# Altium PCB PCB1.PcbDoc (continued)
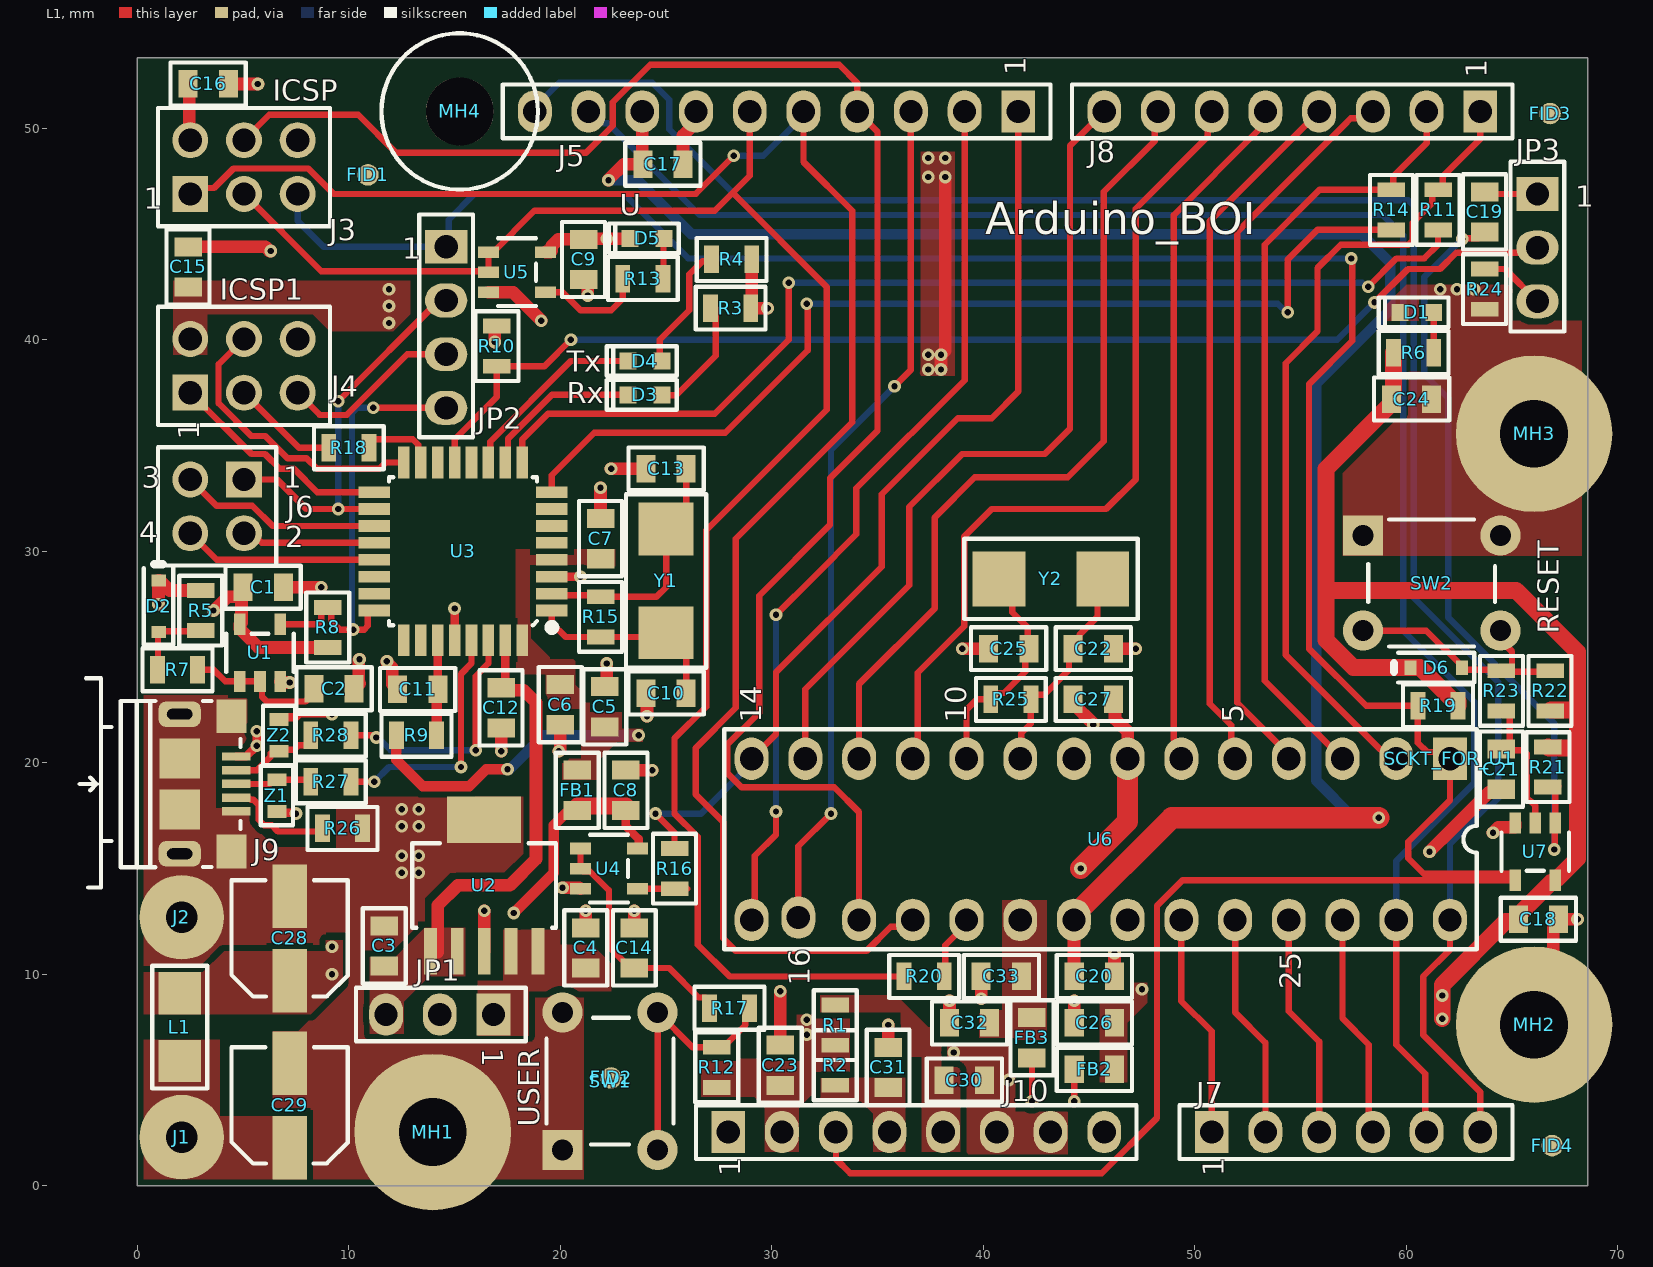
[diagram p0: L1 view]
## Part data (continued)
C3 C4: library part capacitor_10uF_16V, "C Series 0805 10 uF 16 V ±10 % Tolerance X5R SMT Multilayer Ceramic Capacitor", Manufacturer=TDK, Manufacturer Part Number=C2012X5R1C106K085AC, Category="Ceramic Capacitors", ComponentLink1Description=https://datasheet.ciiva.com/24218/c2012x5r1c106k085ac-264980-24218056.pdf?src-supplier=Mouser, ComponentLink1URL=https://datasheet.ciiva.com/24218/c2012x5r1c106k085ac-264980-24218056.pdf?src-supplier=Mouser, ComponentLink2Description=https://datasheet.ciiva.com/28451/1796654-28451610.pdf?src-supplier=Element14, ComponentLink2URL=https://datasheet.ciiva.com/28451/1796654-28451610.pdf?src-supplier=Element14, ComponentLink3Description=https://datasheet.ciiva.com/6259/tdkmlcccaprange-6259116.pdf?src-supplier=Digi-Key, ComponentLink3URL=https://datasheet.ciiva.com/6259/tdkmlcccaprange-6259116.pdf?src-supplier=Digi-Key, ComponentLink4Description=https://datasheet.ciiva.com/6259/tdkmlcccaprange-6259119.pdf?src-supplier=Digi-Key, ComponentLink4URL=https://datasheet.ciiva.com/6259/tdkmlcccaprange-6259119.pdf?src-supplier=Digi-Key, ComponentLink5Description=https://datasheet.ciiva.com/28602/1744655-28602170.pdf?src-supplier=Element14, ComponentLink5URL=https://datasheet.ciiva.com/28602/1744655-28602170.pdf?src-supplier=Element14, ComponentLink6Description=https://datasheet.ciiva.com/28673/mlcc-commercial-general-en-28673535.pdf?src-supplier=Element14, ComponentLink6URL=https://datasheet.ciiva.com/28673/mlcc-commercial-general-en-28673535.pdf?src-supplier=Element14, ComponentLink7Description=https://datasheet.ciiva.com/22719/1796654-22719549.pdf?src-supplier=Element14, ComponentLink7URL=https://datasheet.ciiva.com/22719/1796654-22719549.pdf?src-supplier=Element14, ComponentLink8Description=https://datasheet.ciiva.com/23803/1796654-23803020.pdf?src-supplier=Newark, ComponentLink8URL=https://datasheet.ciiva.com/23803/1796654-23803020.pdf?src-supplier=Newark, Material=4241ConductorMaterial, Pricing 1="1=0.2384, 10=0.1596, 25=0.1391, 50=0.1046, 100=0.0806, 250=0.0791, 500=0.0604, 1000=0.0477, 3000=0.0309 (USD)", RoHS=Yes, Stock 1=3158, Supplier 1="Arrow Electronics", Supplier Part Number 1=C2012X5R1C106K085AC
C5 C24 C26 C32: library part C2012X5R1C106K085AC, "C Series 0805 10 uF 16 V ±10 % Tolerance X5R SMT Multilayer Ceramic Capacitor", Manufacturer=TDK, Category="Ceramic Capacitors", ComponentLink1Description=https://datasheet.ciiva.com/24218/c2012x5r1c106k085ac-264980-24218056.pdf?src-supplier=Mouser, ComponentLink1URL=https://datasheet.ciiva.com/24218/c2012x5r1c106k085ac-264980-24218056.pdf?src-supplier=Mouser, ComponentLink2Description=https://datasheet.ciiva.com/28451/1796654-28451610.pdf?src-supplier=Element14, ComponentLink2URL=https://datasheet.ciiva.com/28451/1796654-28451610.pdf?src-supplier=Element14, ComponentLink3Description=https://datasheet.ciiva.com/6259/tdkmlcccaprange-6259116.pdf?src-supplier=Digi-Key, ComponentLink3URL=https://datasheet.ciiva.com/6259/tdkmlcccaprange-6259116.pdf?src-supplier=Digi-Key, ComponentLink4Description=https://datasheet.ciiva.com/6259/tdkmlcccaprange-6259119.pdf?src-supplier=Digi-Key, ComponentLink4URL=https://datasheet.ciiva.com/6259/tdkmlcccaprange-6259119.pdf?src-supplier=Digi-Key, ComponentLink5Description=https://datasheet.ciiva.com/28602/1744655-28602170.pdf?src-supplier=Element14, ComponentLink5URL=https://datasheet.ciiva.com/28602/1744655-28602170.pdf?src-supplier=Element14, ComponentLink6Description=https://datasheet.ciiva.com/28673/mlcc-commercial-general-en-28673535.pdf?src-supplier=Element14, ComponentLink6URL=https://datasheet.ciiva.com/28673/mlcc-commercial-general-en-28673535.pdf?src-supplier=Element14, ComponentLink7Description=https://datasheet.ciiva.com/22719/1796654-22719549.pdf?src-supplier=Element14, ComponentLink7URL=https://datasheet.ciiva.com/22719/1796654-22719549.pdf?src-supplier=Element14, ComponentLink8Description=https://datasheet.ciiva.com/23803/1796654-23803020.pdf?src-supplier=Newark, ComponentLink8URL=https://datasheet.ciiva.com/23803/1796654-23803020.pdf?src-supplier=Newark, Manufacturer Part Number=C2012X5R1C106K085AC, Material=4241ConductorMaterial, Pricing 1="1=0.2384, 10=0.1596, 25=0.1391, 50=0.1046, 100=0.0806, 250=0.0791, 500=0.0604, 1000=0.0477, 3000=0.0309 (USD)", RoHS=Yes, Stock 1=3158, Supplier 1="Arrow Electronics", Supplier Part Number 1=C2012X5R1C106K085AC
C10 C13 C22 C25: library part C0805C180K5GACTU, "Multilayer Ceramic Capacitor, 18 pF, 50 V, ± 10%, C0G (NP0), 0805 [2012 Metric]", Manufacturer=KEMET, Supplier Part Number 1=80-C0805C180K5G, Temperature Coefficient=30ppm/°C, Category="Ceramic Capacitors", ComponentLink1Description=https://datasheet.ciiva.com/26847/getdatasheetpartid-742486-26847863.pdf?src-supplier=Verical, ComponentLink1URL=https://datasheet.ciiva.com/26847/getdatasheetpartid-742486-26847863.pdf?src-supplier=Verical, ComponentLink2Description=https://datasheet.ciiva.com/5412/kem-c1003-c0g-smd-356956-5412921.pdf?src-supplier=Mouser, ComponentLink2URL=https://datasheet.ciiva.com/5412/kem-c1003-c0g-smd-356956-5412921.pdf?src-supplier=Mouser, Lead Free=5697LeadFree, Manufacturer Part Number=C0805C180K5GACTU, Material=4241ConductorMaterial, Pricing 1="1=0.1, 10=0.04, 50=0.04, 100=0.023, 1000=0.018, 10000=0.013 (USD)", RoHS=Yes, Stock 1=30336, Supplier 1=Mouser
C11: library part capacitor_1uF, "Multilayer Ceramic Capacitor, 1 uF, 25 V, ± 10%, X7R, 0805 [2012 Metric]", Manufacturer=TDK, Manufacturer Part Number=CGA4J3X7R1E105K125AB, Supplier Part Number 1=9038723, Category="Ceramic Capacitors", ComponentLink1Description=https://datasheet.ciiva.com/24216/cga4j3x7r1e105k125ab-266263-24216931.pdf?src-supplier=Mouser, ComponentLink1URL=https://datasheet.ciiva.com/24216/cga4j3x7r1e105k125ab-266263-24216931.pdf?src-supplier=Mouser, Material=4241ConductorMaterial, Pricing 1="100=0.034, 500=0.032, 1000=0.03, 2500=0.029, 5000=0.026 (GBP)", RoHS=Yes, Stock 1=500, Supplier 1=Rs
C28 C29: library part capacitor_100uF/10V, "Cap Aluminum Polymer 100uF 10VDC 20% (5 X 6mm) SMD 0.035 Ohm 1800mA 2000h 105C Automotive T/R", Manufacturer=Nichicon, Manufacturer Part Number=PCG1A101MCL1GS, Category="Polymer Capacitors", ComponentLink1Description=https://datasheet.ciiva.com/102/e-cg-102197.pdf?src-supplier=Digi-Key, ComponentLink1URL=https://datasheet.ciiva.com/102/e-cg-102197.pdf?src-supplier=Digi-Key, ComponentLink2Description=https://datasheet.ciiva.com/102/e-cg-102198.pdf?src-supplier=Digi-Key, ComponentLink2URL=https://datasheet.ciiva.com/102/e-cg-102198.pdf?src-supplier=Digi-Key, ComponentLink3Description=https://datasheet.ciiva.com/102/e-cg-102199.pdf?src-supplier=Digi-Key, ComponentLink3URL=https://datasheet.ciiva.com/102/e-cg-102199.pdf?src-supplier=Digi-Key, Pricing 1="1=0.897, 10=0.8036, 25=0.7518, 100=0.5555 (USD)", RoHS=Yes, Stock 1=240, Supplier 1="Arrow Electronics", Supplier Part Number 1=PCG1A101MCL1GS
D1: library part green_led, "Super Ultra Green 1.6 x 0.8 mm 120° Water Clear 50 mcd 2.2 V Surface Mount LED", Manufacturer=Lumex, Manufacturer Part Number=SML-LXFM0603SUGCTR, Category=LEDs, ComponentLink1Description=https://datasheet.ciiva.com/16353/sml-lxfm0603sugctr-16353226.pdf?src-supplier=Future+Electronics, ComponentLink1URL=https://datasheet.ciiva.com/16353/sml-lxfm0603sugctr-16353226.pdf?src-supplier=Future+Electronics, ComponentLink2Description=https://datasheet.ciiva.com/4688/sml-lxfm0603sugctr-115255-4688799.pdf?src-supplier=Mouser, ComponentLink2URL=https://datasheet.ciiva.com/4688/sml-lxfm0603sugctr-115255-4688799.pdf?src-supplier=Mouser, Pricing 1="1=0.9815, 10=0.6442, 25=0.6365, 50=0.3819 (USD)", RoHS=Yes, Stock 1=85, Supplier 1="Arrow Electronics", Supplier Part Number 1=SML-LXFM0603SUGCTR
D2 D6: "Small Signal Schottky Diode, Single, 30 V, 200 Ma, 800 Mv, 600 Ma, 150 C", Average Rectified Current=200mA, Breakdown Voltage=30V, Capacitance=10pF, Forward Voltage=800mV, Manufacturer="ON Semiconductor / Fairchild", Max Forward Surge Current (Ifsm)=600mA, Max Operating Temperature=150°C, Max Reverse Current=2uA, Min Operating Temperature=-55°C, Package Quantity=1, Power Dissipation=200mW, Supplier Part Number 1=1155100, Category="Schottky Diodes", ComponentLink1Description=https://datasheet.ciiva.com/4714/bat54ht1-d-72881-4714706.pdf?src-supplier=Mouser, ComponentLink1URL=https://datasheet.ciiva.com/4714/bat54ht1-d-72881-4714706.pdf?src-supplier=Mouser, ComponentLink2Description=https://datasheet.ciiva.com/4452/bat54ht1g-104602-4452889.pdf?src-supplier=Mouser, ComponentLink2URL=https://datasheet.ciiva.com/4452/bat54ht1g-104602-4452889.pdf?src-supplier=Mouser, ComponentLink3Description=https://datasheet.ciiva.com/30479/0900766b811a63a9-30479442.pdf?src-supplier=Rs, ComponentLink3URL=https://datasheet.ciiva.com/30479/0900766b811a63a9-30479442.pdf?src-supplier=Rs, ComponentLink4Description=https://datasheet.ciiva.com/34301/806549-34301562.pdf?src-supplier=Jameco, ComponentLink4URL=https://datasheet.ciiva.com/34301/806549-34301562.pdf?src-supplier=Jameco, ComponentLink5Description=https://datasheet.ciiva.com/1240/1747983-1240762.pdf?src-supplier=Newark, ComponentLink5URL=https://datasheet.ciiva.com/1240/1747983-1240762.pdf?src-supplier=Newark, ComponentLink6Description=https://datasheet.ciiva.com/915/bat54ht1-d-915445.pdf?src-supplier=Digi-Key, ComponentLink6URL=https://datasheet.ciiva.com/915/bat54ht1-d-915445.pdf?src-supplier=Digi-Key, ComponentLink7Description=https://datasheet.ciiva.com/915/bat54ht1-d-915444.pdf?src-supplier=Digi-Key, ComponentLink7URL=https://datasheet.ciiva.com/915/bat54ht1-d-915444.pdf?src-supplier=Digi-Key, ComponentLink8Description=https://datasheet.ciiva.com/910/bat54ht1g-910499.pdf?src-supplier=Digi-Key, ComponentLink8URL=https://datasheet.ciiva.com/910/bat54ht1g-910499.pdf?src-supplier=Digi-Key, ComponentLink9Description=https://datasheet.ciiva.com/910/bat54ht1g-910498.pdf?src-supplier=Digi-Key, ComponentLink9URL=https://datasheet.ciiva.com/910/bat54ht1g-910498.pdf?src-supplier=Digi-Key, ComponentLink10Description=https://datasheet.ciiva.com/8294/bat54ht1-d-8294645.pdf?src-supplier=Avnet, ComponentLink10URL=https://datasheet.ciiva.com/8294/bat54ht1-d-8294645.pdf?src-supplier=Avnet, ComponentLink11Description=https://datasheet.ciiva.com/910/bat54ht1g-910497.pdf?src-supplier=Digi-Key, ComponentLink11URL=https://datasheet.ciiva.com/910/bat54ht1g-910497.pdf?src-supplier=Digi-Key, ComponentLink12Description=https://datasheet.ciiva.com/8303/bat54ht1g-8303645.pdf?src-supplier=Avnet, ComponentLink12URL=https://datasheet.ciiva.com/8303/bat54ht1g-8303645.pdf?src-supplier=Avnet, ComponentLink13Description=https://datasheet.ciiva.com/915/bat54ht1-d-915443.pdf?src-supplier=Digi-Key, ComponentLink13URL=https://datasheet.ciiva.com/915/bat54ht1-d-915443.pdf?src-supplier=Digi-Key, ComponentLink14Description=https://datasheet.ciiva.com/46429/1727620-46429206.pdf?src-supplier=Element14, ComponentLink14URL=https://datasheet.ciiva.com/46429/1727620-46429206.pdf?src-supplier=Element14, ComponentLink15Description=https://datasheet.ciiva.com/1180/bat54ht1-d-1180252.pdf?src-supplier=Element14, ComponentLink15URL=https://datasheet.ciiva.com/1180/bat54ht1-d-1180252.pdf?src-supplier=Element14, ComponentLink16Description=https://datasheet.ciiva.com/1180/bat54ht1-d-1180251.pdf?src-supplier=Element14, ComponentLink16URL=https://datasheet.ciiva.com/1180/bat54ht1-d-1180251.pdf?src-supplier=Element14, ComponentLink17Description=https://datasheet.ciiva.com/17020/bat54ht1g-17020445.pdf?src-supplier=Future+Electronics, ComponentLink17URL=https://datasheet.ciiva.com/17020/bat54ht1g-17020445.pdf?src-supplier=Future+Electronics, ComponentLink18Description=https://datasheet.ciiva.com/48686/001262925-da-01-en-diode-schottky-30v-bat54ht1g-sod-323-fsc-48686266.pdf?src-supplier=Conrad, ComponentLink18URL=https://datasheet.ciiva.com/48686/001262925-da-01-en-diode-schottky-30v-bat54ht1g-sod-323-fsc-48686266.pdf?src-supplier=Conrad, Contact Plating=Tin,Matte, Current Rating=200mA, Forward Current=200mA, Height=1mm, Lead Free="Lead Free", Length=1.8mm, Manufacturer Part Number=BAT54HT1G, Max Repetitive Reverse Voltage (Vrrm)=30V, Max Reverse Leakage Current=2uA, Max Reverse Voltage (DC)=30V, Max Surge Current=600mA, Mount="Surface Mount", Number of Pins=2, Output Current=200mA, Packaging="Tape and Reel", Peak Non-Repetitive Surge Current=600mA, Polarity=Standard, Pricing 1="3000=0.0203, 12000=0.0195, 45000=0.0187, 75000=0.0184, 150000=0.0175 (USD)", Radiation Hardening=No, Reach SVHC Compliant=No, Recovery Time=5ns, Reverse Recovery Time=5ns, Reverse Recovery Time-Max=5ns, Reverse Voltage=30V, RoHS=Yes, RoHS Compliant=Yes, Series=-, Stock 1=5595000, Supplier 1="Future Electronics", Voltage Rating (DC)=30V, Width=1.35mm
D3 D4 D5: library part orange_led, "LED Low-Power Uni-Color SB. Orange 611nm 1.8V 2-Pin SMD T/R", Manufacturer=Kingbright, Manufacturer Part Number=APT1608LSECK/J4-PRV, Category=LEDs, ComponentLink1Description=http://www.mouser.com/ds/2/216/APT1608LSECK-J4-PRV-535751.pdf?src-supplier=Mouser, ComponentLink1URL=http://www.mouser.com/ds/2/216/APT1608LSECK-J4-PRV-535751.pdf?src-supplier=Mouser, ComponentLink2Description=http://www.kingbrightusa.com/images/catalog/SPEC/APT1608LSECK-J4-PRV.pdf?src-supplier=Digi-Key, ComponentLink2URL=http://www.kingbrightusa.com/images/catalog/SPEC/APT1608LSECK-J4-PRV.pdf?src-supplier=Digi-Key, Pricing 1="1=0.64, 10=0.396, 100=0.2277, 1000=0.17816 (USD)", RoHS=Yes, Stock 1=48397, Supplier 1=Digi-Key
FB1 FB2 FB3: "Ferrite Beads Multi-Layer Power 600Ohm 25% 100MHz 2A 100mOhm DCR 0805 T/R", Case Code (Imperial)=0805, Case Code (Metric)=2012, Current Rating=2A, DC Resistance (DCR)=100mR, Manufacturer=TDK, Max Operating Temperature=125°C, Min Operating Temperature=-55°C, Package Quantity=1, Test Frequency=100MHz, Tolerance=25%, Case/Package=0805, Category="Ferrite Beads and Chips", ComponentLink1Description=https://datasheet.ciiva.com/46634/beads-commercial-power-mpz-en-46634335.pdf?src-supplier=Digi-Key, ComponentLink1URL=https://datasheet.ciiva.com/46634/beads-commercial-power-mpz-en-46634335.pdf?src-supplier=Digi-Key, ComponentLink2Description=https://datasheet.ciiva.com/46634/beads-commercial-power-mpz-en-46634377.pdf?src-supplier=Digi-Key, ComponentLink2URL=https://datasheet.ciiva.com/46634/beads-commercial-power-mpz-en-46634377.pdf?src-supplier=Digi-Key, ComponentLink3Description=https://datasheet.ciiva.com/46634/beads-commercial-power-mpz-en-46634606.pdf?src-supplier=Digi-Key, ComponentLink3URL=https://datasheet.ciiva.com/46634/beads-commercial-power-mpz-en-46634606.pdf?src-supplier=Digi-Key, Core Material=Ferrite, Height=0.041inch, Impedance=600R, Lead Free="Lead Free", Length=0.079inch, Manufacturer Part Number=MPZ2012S601AT000, Max Current Rating=2A, Max DC Current=2A, Mount="Surface Mount", Number of Lines=1, Packaging="Tape and Reel", Pricing 1="4000=0.027, 8000=0.023, 28000=0.0228, 100000=0.0225 (USD)", Reach SVHC Compliant=No, RMS Current (Irms)=2A, RoHS=Yes, RoHS Compliant=Yes, Series=MPZ, Series Resistance=100mR, Stock 1=8000, Supplier 1="Arrow Electronics", Supplier Part Number 1=MPZ2012S601AT000, Width=0.049inch
FID1 FID2 FID3 FID4: "Fiducial 40mil Diameter, 120mil mask."
J1 J2: library part PAD_WITH_HOLE_4MMx1.5MM, "Pad with a whole 4mm x 1.5mm"
J3 J4: library part 67997-206HLF, "Conn Unshrouded Header HDR 6 POS 2.54mm Solder ST Top Entry Thru-Hole BergStik® Bulk", Manufacturer="Amphenol ICC / FCI", Category="Headers and Wire Housings", ComponentLink1Description=http://uk.rs-online.com/webdocs/1450/0900766b81450b9f.pdf?src-supplier=Rs, ComponentLink1URL=http://uk.rs-online.com/webdocs/1450/0900766b81450b9f.pdf?src-supplier=Rs, ComponentLink2Description=https://datasheet.octopart.com/67997-206HLF-Amphenol-Communications-Solutions-datasheet-10288749.pdf?src-supplier=Newark, ComponentLink2URL=https://datasheet.octopart.com/67997-206HLF-Amphenol-Communications-Solutions-datasheet-10288749.pdf?src-supplier=Newark, ComponentLink3Description=https://datasheet.octopart.com/67997-206HLF-Areva-datasheet-15888151.pdf?src-supplier=Element14, ComponentLink3URL=https://datasheet.octopart.com/67997-206HLF-Areva-datasheet-15888151.pdf?src-supplier=Element14, ComponentLink4Description=https://www.alliedelec.com/m/d/513ec3cc6ba1d1ea2d72c003449a9fb2.pdf?src-supplier=Allied+Electronics, ComponentLink4URL=https://www.alliedelec.com/m/d/513ec3cc6ba1d1ea2d72c003449a9fb2.pdf?src-supplier=Allied+Electronics, ComponentLink5Description=http://components.arrow.com/part/dataview/41913726S7403011N8314?src-supplier=Arrow+Electronics, ComponentLink5URL=http://components.arrow.com/part/dataview/41913726S7403011N8314?src-supplier=Arrow+Electronics, ComponentLink6Description=http://portal.fciconnect.com/Comergent/adirect/fci?cmd=catCustomerDrawing&productName=67997-206HLF&src-supplier=Mouser, ComponentLink6URL=http://portal.fciconnect.com/Comergent/adirect/fci?cmd=catCustomerDrawing&productName=67997-206HLF&src-supplier=Mouser, ComponentLink7Description=http://portal.fciconnect.com/Comergent/fci/drawing/67996.pdf?src-supplier=Avnet, ComponentLink7URL=http://portal.fciconnect.com/Comergent/fci/drawing/67996.pdf?src-supplier=Avnet, ComponentLink8Description=https://cdn.amphenol-icc.com/media/wysiwyg/files/drawing/67996.pdf?src-supplier=Digi-Key, ComponentLink8URL=https://cdn.amphenol-icc.com/media/wysiwyg/files/drawing/67996.pdf?src-supplier=Digi-Key, ComponentLink9Description=https://datasheet.octopart.com/67997-206HLF-Amphenol-Communications-Solutions-datasheet-36854132.pdf?src-supplier=Electro+Sonic, ComponentLink9URL=https://datasheet.octopart.com/67997-206HLF-Amphenol-Communications-Solutions-datasheet-36854132.pdf?src-supplier=Electro+Sonic, Manufacturer Part Number=67997-206HLF, Pricing 1="1=0.4055, 10=0.3348, 25=0.3314, 50=0.3281, 100=0.2392, 1000=0.2033 (USD)", RoHS=No, Stock 1=1251, Supplier 1="Arrow Electronics", Supplier Part Number 1=67997-206HLF
J5: library part M20-7821046, "2.54mm (0.1\") Pitch SIL Vertical PC Tail Socket Assembly, tin, 10 contacts", Manufacturer=Harwin, Supplier Part Number 1=6816826, Category="Headers and Wire Housings", ComponentLink1Description=https://datasheet.ciiva.com/11753/0900766b80dc1d2b-11753869.pdf?src-supplier=Rs, ComponentLink1URL=https://datasheet.ciiva.com/11753/0900766b80dc1d2b-11753869.pdf?src-supplier=Rs, ComponentLink2Description=https://datasheet.ciiva.com/26899/getdatasheetpartid-559226-26899379.pdf?src-supplier=Verical, ComponentLink2URL=https://datasheet.ciiva.com/26899/getdatasheetpartid-559226-26899379.pdf?src-supplier=Verical, ComponentLink3Description=https://datasheet.ciiva.com/10151/m20-782-10151366.pdf?src-supplier=Avnet, ComponentLink3URL=https://datasheet.ciiva.com/10151/m20-782-10151366.pdf?src-supplier=Avnet, ComponentLink4Description=https://datasheet.ciiva.com/6785/m20-782-6785605.pdf?src-supplier=Digi-Key, ComponentLink4URL=https://datasheet.ciiva.com/6785/m20-782-6785605.pdf?src-supplier=Digi-Key, Manufacturer Part Number=M20-7821046, Pricing 1="5=1.166, 100=0.892, 375=0.804, 1500=0.652, 3000=0.59 (GBP)", RoHS=Yes, Stock 1=515, Supplier 1=Rs
J6: library part 77313-118-04LF, "BergStik®, Board to Board connector, Unshrouded Header, 2.54 mm Pitch, Vertical, Double Row, Through Hole, 04 Positions", Color=Black, Manufacturer="Amphenol ICC / FCI", Category=Connectors, ComponentLink1Description=https://datasheet.ciiva.com/722/77313-722655.pdf?src-supplier=Digi-Key, ComponentLink1URL=https://datasheet.ciiva.com/722/77313-722655.pdf?src-supplier=Digi-Key, Contact Material=Bronze, Contact Mating Length=0.23inch, Contact Plating=Gold,GXT, Contact Type="Male Pin", Manufacturer Part Number=77313-118-04LF, Mount="Through Hole", Number of Contacts=4, Number of Positions=4, Number of Rows=2, Packaging=Bulk, Pitch=0.1inch, Pricing 1="1=0.1428, 10=0.1135 (USD)", Reach SVHC Compliant=No, RoHS=No, Row Spacing=0.1inch, Series="BERGSTIK®, MezzSelect™, Basics+", Stock 1=1364, Supplier 1="Arrow Electronics", Supplier Part Number 1=77313-118-04LF, Termination=Solder
J7: library part M20-7820646, "2.54mm (0.1\") Pitch SIL Vertical PC Tail Socket Assembly, tin, 6 contacts", Case/Package=SIL, Flammability Rating="UL94 V-0", Insulation Color=Black, Manufacturer=Harwin, Max Operating Temperature=105°C, Min Operating Temperature=-40°C, Package Quantity=38, Supplier Part Number 1=1613515, Voltage Rating=1kV, Category="Headers and Wire Housings", ComponentLink1Description=https://cdn.harwin.com/pdfs/Harwin_PC_Connectors_M20.pdf?src-supplier=Rs, ComponentLink1URL=https://cdn.harwin.com/pdfs/Harwin_PC_Connectors_M20.pdf?src-supplier=Rs, ComponentLink2Description=http://www.harwin.com/include/downloads/pdfs/2010PAGE120.PDF?src-supplier=Avnet, ComponentLink2URL=http://www.harwin.com/include/downloads/pdfs/2010PAGE120.PDF?src-supplier=Avnet, ComponentLink3Description=https://cdn.harwin.com/pdfs/M20-782.pdf?src-supplier=Digi-Key, ComponentLink3URL=https://cdn.harwin.com/pdfs/M20-782.pdf?src-supplier=Digi-Key, ComponentLink4Description=https://cdn.harwin.com/pdfs/Harwin_PC_Connectors_M20.pdf?src-supplier=Mouser, ComponentLink4URL=https://cdn.harwin.com/pdfs/Harwin_PC_Connectors_M20.pdf?src-supplier=Mouser, ComponentLink5Description=https://cdn.harwin.com/pdfs/Harwin_PC_Connectors_M20.pdf?src-supplier=TTI, ComponentLink5URL=https://cdn.harwin.com/pdfs/Harwin_PC_Connectors_M20.pdf?src-supplier=TTI, Connector Type=Receptacle, Contact Finish - Mating=TIN, Contact Gender=Female, Contact Material=Bronze, Contact Plating=Tin, Contact Shape=Square, Contact Type="Female Socket", Fastening Type=Pull, Gender=Female, Insulation Material=Nylon, Manufacturer Part Number=M20-7820646, Mated Stacking Heights=12.63mm, Mount="Through Hole", Number of Contacts=6, Number of Positions=6, Number of Rows=1, Packaging=Rail/Tube, Pitch=2.54mm, Pricing 1="36=0.809, 180=0.755, 360=0.674, 720=0.608 (GBP)", Radiation Hardening=No, RoHS=Yes, RoHS Compliant=Yes, Series=M20, Stock 1=684, Supplier 1=Rs, Termination=Solder
J8 J10: library part M20-7820842, "2.54mm (0.1\") Pitch SIL Vertical PC Tail Socket Assembly, selective gold + tin, 8 contacts", Case/Package=SIL, Flammability Rating="UL94 V-0", Insulation Color=Black, Manufacturer=Harwin, Max Operating Temperature=105°C, Min Operating Temperature=-40°C, Supplier Part Number 1=952-1823-ND, Voltage Rating=1kV, Category="Headers and Wire Housings", ComponentLink1Description=https://datasheet.ciiva.com/9480/m20-782-9480074.pdf?src-supplier=Avnet, ComponentLink1URL=https://datasheet.ciiva.com/9480/m20-782-9480074.pdf?src-supplier=Avnet, Connector Type=Receptacle, Contact Finish - Mating=GOLD, Contact Gender=Female, Contact Material=Bronze, Contact Plating=Tin,Gold, Contact Shape=Square, Contact Type="Female Socket", Fastening Type=Pull, Gender=Female, Insulation Material=Nylon, Manufacturer Part Number=M20-7820842, Mated Stacking Heights=12.63mm, Mount="Through Hole", Number of Contacts=8, Number of Positions=8, Number of Rows=1, Packaging=Rail/Tube, Pitch=2.54mm, Pricing 1="1=1.44, 10=1.215, 100=1.091, 500=0.89264, 1000=0.79346, 5000=0.69427, 10000=0.65956 (USD)", Radiation Hardening=No, RoHS=Yes, RoHS Compliant=Yes, Series=M20, Stock 1=4089, Supplier 1=Digi-Key, Termination=Solder, Weight=0.025397oz
J9: "Usb Connector, 5 Contact(S), Female, Right Angle, Surface Mount Terminal, Locking, Receptacle", Color=46Colour, Current Rating=1.8A, Flammability Rating=5813Flammability, Insulation Resistance=1GR, Manufacturer="Amphenol Communications Solutions", Max Operating Temperature=85°C, Max Voltage Rating (AC)=100V, Min Operating Temperature=-55°C, Category=Connectors, ComponentLink1Description=https://datasheet.octopart.com/10118193-0001LF-Amphenol-Communications-Solutions-datasheet-96019471.pdf?src-supplier=Element14, ComponentLink1URL=https://datasheet.octopart.com/10118193-0001LF-Amphenol-Communications-Solutions-datasheet-96019471.pdf?src-supplier=Element14, ComponentLink2Description=https://datasheet.octopart.com/10118193-0001LF-Amphenol-Communications-Solutions-datasheet-55953155.pdf?src-supplier=TME, ComponentLink2URL=https://datasheet.octopart.com/10118193-0001LF-Amphenol-Communications-Solutions-datasheet-55953155.pdf?src-supplier=TME, ComponentLink3Description=https://datasheet.octopart.com/10118193-0001LF-Amphenol-Communications-Solutions-datasheet-11792339.pdf?src-supplier=Electro+Sonic, ComponentLink3URL=https://datasheet.octopart.com/10118193-0001LF-Amphenol-Communications-Solutions-datasheet-11792339.pdf?src-supplier=Electro+Sonic, Connector Type=309,4640ConnectorType, Contact Material=153,157ConductorMaterial, Contact Plating=157ConductorMaterial, Depth=5.67mm, Features=6303FeaturesType, Gender=30Gender, Height=3mm, Housing Material=4242ConductorMaterial, Length=7.86mm, Manufacturer Part Number=10118193-0001LF, Mount=8,4608Mount, Number of Contacts=5NUMBER, Number of Pins=11NUMBER, Number of Ports=1NUMBER, Orientation=5492OrientationType, Pitch=650um, Pricing 1="9600=0.1971 (USD)", Radiation Hardening=5898YesNo, RoHS=No, Stock 1=76800, Supplier 1="Arrow Electronics", Supplier Part Number 1=10118193-0001LF, Termination=4558ConnectorType, USB Standard=6108USBStandard, Voltage Rating=100V
JP1 JP3: library part HDR_1x3_2.54mm, "Conn Unshrouded Header HDR 3 POS 2.54mm Solder ST Top Entry Thru-Hole BergStik® Bulk", Manufacturer="Amphenol ICC / FCI", Category="Headers and Wire Housings", ComponentLink1Description=http://uk.rs-online.com/webdocs/1450/0900766b81450c64.pdf?src-supplier=Rs, ComponentLink1URL=http://uk.rs-online.com/webdocs/1450/0900766b81450c64.pdf?src-supplier=Rs, ComponentLink2Description=https://www.alliedelec.com/m/d/5c9a93367e9d0f191689c8d93ba26bad.pdf?src-supplier=Allied+Electronics, ComponentLink2URL=https://www.alliedelec.com/m/d/5c9a93367e9d0f191689c8d93ba26bad.pdf?src-supplier=Allied+Electronics, ComponentLink3Description=https://datasheet.octopart.com/68001-203HLF-Areva-datasheet-10088795.pdf?src-supplier=Newark, ComponentLink3URL=https://datasheet.octopart.com/68001-203HLF-Areva-datasheet-10088795.pdf?src-supplier=Newark, ComponentLink4Description=https://cdn.amphenol-icc.com/media/wysiwyg/files/drawing/68000.pdf?src-supplier=Digi-Key, ComponentLink4URL=https://cdn.amphenol-icc.com/media/wysiwyg/files/drawing/68000.pdf?src-supplier=Digi-Key, ComponentLink5Description=http://www.mouser.com/ds/2/154/68000-274373.pdf?src-supplier=Mouser, ComponentLink5URL=http://www.mouser.com/ds/2/154/68000-274373.pdf?src-supplier=Mouser, ComponentLink6Description=http://components.arrow.com/part/dataview/41914271S7424575N8314?src-supplier=Arrow+Electronics, ComponentLink6URL=http://components.arrow.com/part/dataview/41914271S7424575N8314?src-supplier=Arrow+Electronics, ComponentLink7Description=http://portal.fciconnect.com/Comergent/fci/drawing/68000.pdf?src-supplier=Avnet, ComponentLink7URL=http://portal.fciconnect.com/Comergent/fci/drawing/68000.pdf?src-supplier=Avnet, ComponentLink8Description=https://datasheet.octopart.com/68001-203HLF-FCI-datasheet-41232361.pdf?src-supplier=Farnell, ComponentLink8URL=https://datasheet.octopart.com/68001-203HLF-FCI-datasheet-41232361.pdf?src-supplier=Farnell, ComponentLink9Description=http://www.farnell.com/datasheets/1914865.pdf?src-supplier=Element14, ComponentLink9URL=http://www.farnell.com/datasheets/1914865.pdf?src-supplier=Element14, ComponentLink10Description=http://www.farnell.com/datasheets/1914865.pdf?src-supplier=Newark, ComponentLink10URL=http://www.farnell.com/datasheets/1914865.pdf?src-supplier=Newark, Manufacturer Part Number=68001-203HLF, Pricing 1="1=0.2219, 10=0.1626, 25=0.1592, 50=0.1576, 100=0.102, 1000=0.084 (USD)", RoHS=No, Stock 1=2787, Supplier 1="Arrow Electronics", Supplier Part Number 1=68001-203HLF